# Altium PCB novena_evt1_a.PcbDoc (part 6 of 12)
Units mm, origin at the board's own origin, x right, y up, seen from the top; angles counter-clockwise.
Board outline 121 x 150 mm, 10 copper layers (Top, L2-GND, L3, L4, L5-PWR, L6-PWR, L7, L8, L9-GND, Bot), stack 1.621 mm thick; 951 components, 714 nets, 4891 pads, 2105 vias.
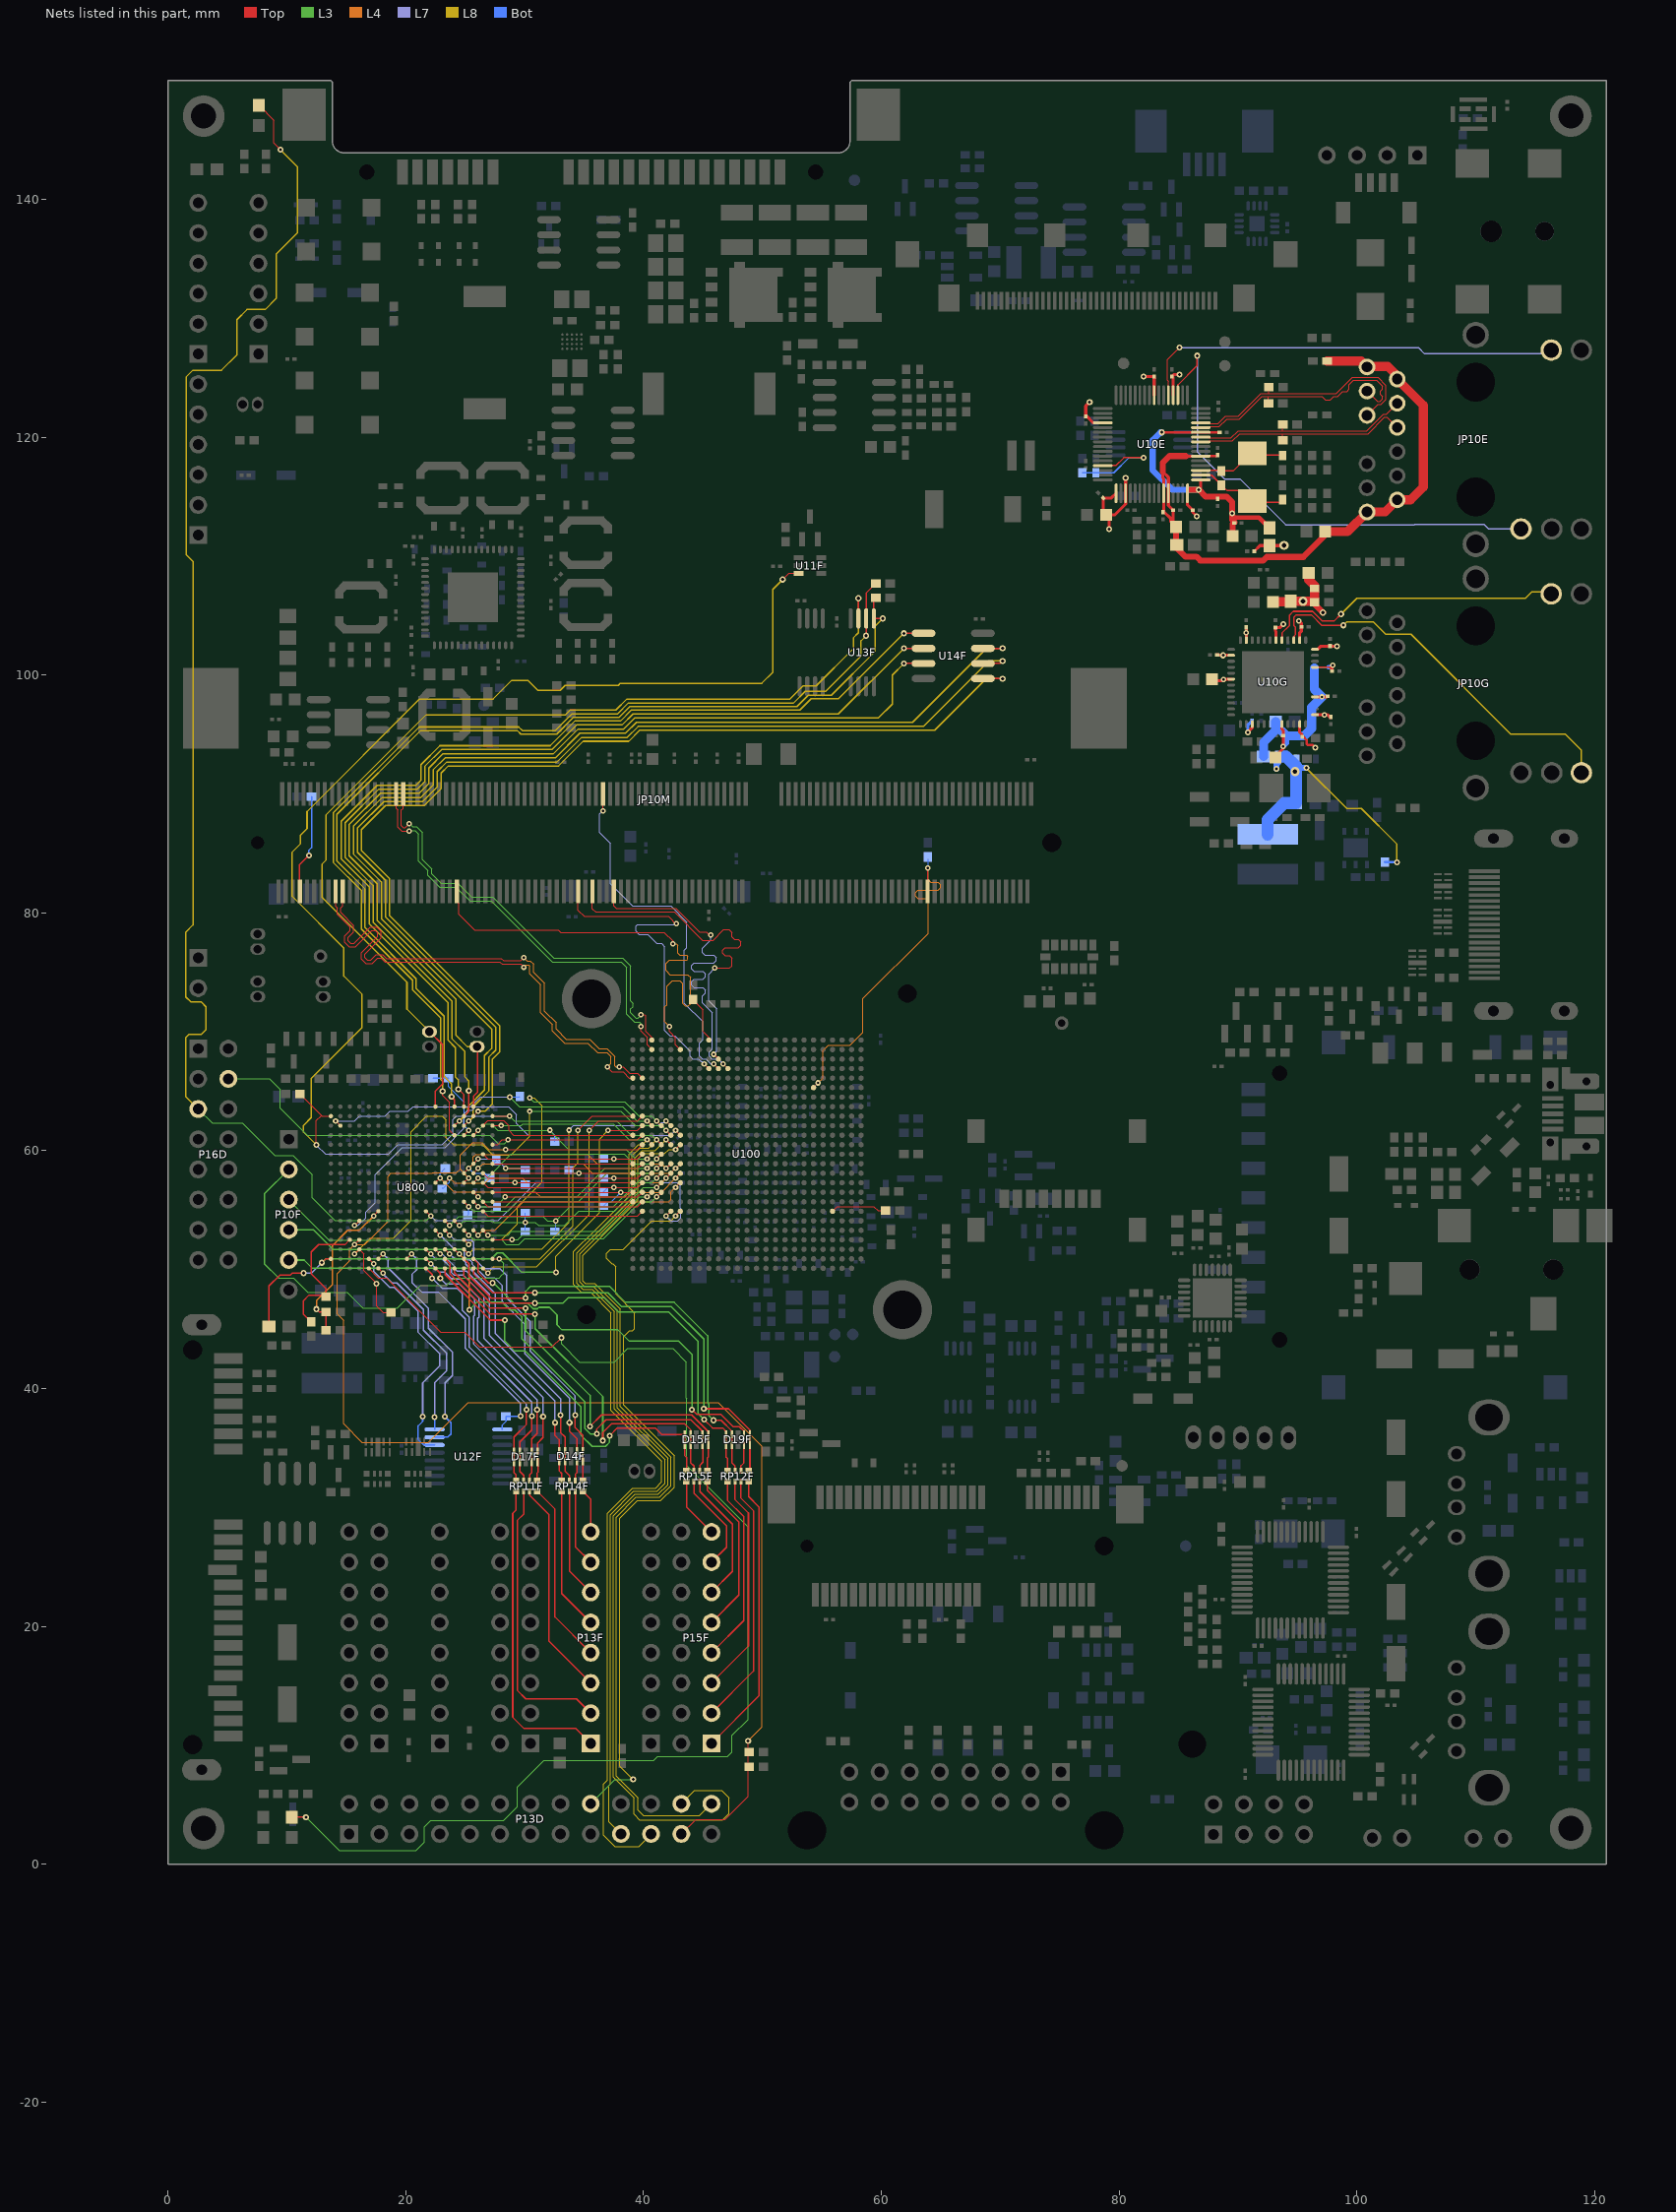
[diagram p14: the nets of this part, all layers, seen from the top]

## Via types
v1: diameter 0.508, hole 0.254, Top to Bot, tented both sides, 940 vias
v2: diameter 0.457, hole 0.203, Top to Bot, tented both sides, 793 vias
v3: diameter 0.762, hole 0.381, Top to Bot, tented both sides, 325 vias
v4: diameter 0.66, hole 0.33, Top to Bot, tented both sides, 23 vias
v5: diameter 0.66, hole 0.33, Top to Bot, tented top, 16 vias
v6: diameter 0.5, hole 0.254, Top to Bot, tented both sides, 8 vias

## Nets (pads, with @x,y where several pads share a name; then routed paths per layer and width w, separated by ;. In a path a pad name is that pad's centre, name@x,y a point inside that pad or via, vN(x,y) a via of type N, cw(c..) or ccw(c..) an arc to the next point about the centre after c; other vN are vias at no path point) (continued)
DDR3_DQS5_P: JP10M.154 U100.AD20 | length 40.7
  Top w0.083: JP10M.154@24.302,81.814 24.34,81.776 24.34,80.906 24.463,80.783 24.463,79.856 25.774,78.545 32.848,78.545 33.049,78.345 41.74,78.345 42.461,77.623 v2(42.461,77.391) ; v2(42.172,70.432) 42.172,70.013 42.7,69.485 42.7,68.9 U100.AD20@43.1,68.5
  L4 w0.089: v2(42.172,70.432) 41.765,70.839 41.765,72.075 41.968,72.278 41.968,73.828 42.447,74.306 43.038,74.306 43.314,74.031 43.314,72.37 43.505,72.179 43.77,72.179 43.949,72.358 43.949,74.582 43.729,74.802 42.223,74.802 41.875,75.15 41.875,75.725 42.184,76.034 43.666,76.034 43.725,76.092 43.725,76.356 43.64,76.44 43.056,76.44 42.882,76.614 42.882,77.274 42.766,77.391 v2(42.461,77.391)
DDR3_DQS6_N: JP10M.169 U100.AE23 | length 36.8
  Top w0.083: JP10M.169@19.802,90.014 19.802,88.792 19.641,88.632 19.641,87.315 19.781,87.175 19.962,87.175 v2(20.276,87.489) ; v2(39.772,71.448) 40.077,71.448 40.177,71.348 40.177,70.043 40.7,69.52 U100.AE23@40.7,69.3
  L3 w0.089: v2(20.276,87.489) 20.331,87.489 20.585,87.235 20.923,87.235 21.394,86.764 21.394,84.472 22.181,83.685 22.181,83.282 22.978,82.485 24.372,82.485 25.54,81.317 27.325,81.317 32.456,76.186 38.256,76.186 38.91,75.532 38.91,72.59 39.1,72.4 39.1,72.1 38.91,71.91 38.91,71.608 39.368,71.15 39.55,71.15 39.772,71.372 v2(39.772,71.448)
DDR3_DQS6_P: JP10M.171 U100.AD23 | length 36.8
  Top w0.083: JP10M.171@19.202,90.014 19.202,88.767 19.336,88.632 19.336,87.189 19.655,86.87 20.216,86.87 20.251,86.905 v2(20.301,86.854) ; v2(39.772,70.432) 39.772,70.051 40.3,69.523 40.3,68.9 U100.AD23@40.7,68.5
  L3 w0.089: v2(20.301,86.854) 20.251,86.905 20.786,86.905 21.064,86.627 21.064,84.336 21.851,83.548 21.851,83.146 22.842,82.155 24.235,82.155 25.403,80.987 27.188,80.987 32.319,75.856 38.119,75.856 38.58,75.395 38.58,71.471 39.239,70.813 39.656,70.813 39.772,70.697 v2(39.772,70.432)
DDR3_DQS7_N: JP10M.186 U100.AA24 | length 41.9
  Top w0.083: JP10M.186@14.702,81.814 14.702,80.568 14.536,80.402 14.536,80.02 15.619,78.937 15.619,78.388 15.154,77.923 15.154,77.626 15.346,77.434 15.643,77.434 17.006,78.797 17.555,78.797 17.927,78.426 17.927,77.876 16.563,76.513 16.563,76.217 16.756,76.024 17.053,76.024 17.518,76.489 18.067,76.489 18.396,76.161 28.048,76.161 28.226,75.983 29.675,75.983 v2(29.928,76.236) ; v2(37.969,67.028) 38.299,67.028 38.827,66.5 39.5,66.5 U100.AA24@39.9,66.1
  L4 w0.089: v2(29.928,76.236) 30.232,75.932 30.487,75.932 30.741,75.678 30.741,74.996 31.655,74.082 31.655,71.741 32.646,70.75 32.646,70.217 33.484,69.379 35.469,69.379 36.282,68.566 36.939,68.566 37.575,67.93 37.575,67.142 37.689,67.028 v2(37.969,67.028)
DDR3_DQS7_P: JP10M.188 U100.AA25 | length 41.9
  Top w0.083: JP10M.188@14.102,81.814 14.102,80.532 14.231,80.402 14.231,79.894 15.314,78.811 15.314,78.514 14.849,78.049 14.849,77.5 15.22,77.129 15.769,77.129 17.132,78.492 17.429,78.492 17.622,78.299 17.622,78.003 16.259,76.64 16.259,76.09 16.63,75.719 17.179,75.719 17.644,76.184 17.941,76.184 18.269,75.856 27.922,75.856 28.099,75.678 29.675,75.678 v2(29.928,75.425) ; v2(36.953,67.028) 37.358,66.623 38.272,66.623 38.795,66.1 U100.AA25@39.1,66.1
  L4 w0.089: v2(29.928,75.425) 30.105,75.602 30.348,75.602 30.411,75.539 30.411,74.859 31.325,73.945 31.325,71.604 32.316,70.614 32.316,70.08 33.347,69.049 35.332,69.049 36.146,68.235 36.91,68.235 37.245,67.9 37.245,67.32 v2(36.953,67.028)
DDR3_EVENT_N: JP10M.198 R12M.2 | length 8.4
  Top w0.127: JP10M.198@11.1,81.8 11.075,81.825 11.075,84.05 v1(11.85,84.825)
  Bot w0.127: v1(11.85,84.825) 11.825,84.85 11.825,85.225 12.075,85.475 R12M.2@12.075,89.75
DDR3_ODT0: JP10M.116 U100.AC16 | length 29.8
  Top w0.096: JP10M.116@35.702,81.814 35.702,80.344 35.973,80.072 42.601,80.072 44.973,77.7 45.875,77.7 46.75,78.575 47.2,78.575 47.425,78.35 47.425,77.963 47.631,77.757 47.986,77.757 48.191,77.551 48.191,77.277 47.986,77.071 46.864,77.071 46.659,76.866 46.659,76.591 46.864,76.385 47.219,76.385 47.425,76.18 47.425,75.55 47.223,75.348 v2(46.006,75.348) ; v2(45.9,68.1) U100.AC16@46.3,67.7
  L7 w0.096: v2(45.9,68.1) 46.161,68.361 46.161,71.939 45.5,72.6 45.5,74.841 v2(46.006,75.348)
DDR3_ODT1: JP10M.120 U100.AB17 | length 29.5
  Top w0.096: JP10M.120@34.502,81.814 34.502,80.223 35.034,79.691 42.084,79.691 v2@42.75,79.025 ; v2(45.1,67.3) U100.AB17@45.5,66.9
  L7 w0.096: v2@42.75,79.025 39.5,79.025 39.35,78.875 39.35,78.45 39.625,78.175 40.375,78.175 41.125,77.425 41.5,77.425 41.765,77.16 41.765,70.115 42.222,69.658 42.628,69.658 43.919,68.367 43.919,67.942 44.142,67.719 44.619,67.719 44.847,67.491 44.91,67.491 v2(45.1,67.3)
  other v2: 42.75,79.076
DDR3_RAS: JP10M.110 U100.AB15 | length 28.9
  Top w0.096: JP10M.110@37.502,81.814 37.502,80.576 37.701,80.377 42.723,80.377 44.704,78.396 45.27,78.396 45.524,78.142 v2(45.676,78.142) ; v2(46.7,67.3) U100.AB15@47.1,66.9
  L7 w0.096: v2(45.676,78.142) 45.676,77.735 44.965,77.024 44.965,76.663 45.171,76.457 45.905,76.457 46.111,76.251 46.111,75.977 45.905,75.771 44.253,75.771 44.047,75.566 44.047,75.291 44.253,75.085 44.993,75.085 45.198,74.88 45.198,74.605 44.993,74.4 44.253,74.4 44.047,74.194 44.047,73.92 44.253,73.714 44.993,73.714 45.198,73.508 45.198,73.234 44.965,73 44.965,72.427 45.778,71.614 45.778,68.555 45.519,68.296 45.519,67.942 45.742,67.719 46.281,67.719 v2(46.7,67.3)
DDR3_RESET: JP10M.30 R10M.1 U100.Y6 | length 29.8
  Top w0.096: U100.Y6@54.3,65.3 v2(54.7,65.7) ; JP10M.30@63.902,81.814 v2(63.902,83.769)
  L4 w0.096: v2(54.7,65.7) 55.081,66.081 55.081,68.395 55.531,68.845 57.36,68.845 58.452,69.938 58.452,72.782 63.939,78.269 63.939,81.005 63.733,81.211 63.082,81.211 62.876,81.416 62.876,81.691 63.082,81.896 64.796,81.896 65.002,82.102 65.002,82.376 64.796,82.582 64.145,82.582 63.939,82.788 63.939,83.732 v2(63.902,83.769)
  Bot w0.096: v2(63.902,83.769) 63.939,83.806 R10M.1@63.939,84.517
DDR3_WE: JP10M.113 U100.AB16 | length 30
  Top w0.096: v2(36.602,88.58) JP10M.113@36.602,90.014 ; v2(45.9,67.3) U100.AB16@46.3,66.9
  L7 w0.096: v2(36.602,88.58) 36.325,88.304 36.325,86.75 37.221,85.854 37.221,82.429 39.07,80.58 42.295,80.58 43.65,79.225 43.65,77.081 43.441,76.872 43.441,72.401 44.99,70.852 44.99,69.303 44.719,69.031 44.719,67.942 44.942,67.719 45.244,67.719 45.664,67.3 v2(45.9,67.3)
DDR3_ZQPAD: R11M.1 U100.AE17 | length 3.6
  Top w0.102: R11M.1@44.361,72.464 44.977,71.848 44.977,70.043 45.5,69.52 U100.AE17@45.5,69.3
DSI_REXT: R14L.1 U100.G4 | length 4.8
  Top w0.102: U100.G4@55.9,54.9 56.3,55.3 59.375,55.3 59.725,54.95 R14L.1@60.35,54.95
ECSPI3_MISO: P13D.21 U100.P23 U800.A3 | length 86.9
  Top w0.102: U800.A3@27.3,62.1 v2(28.025,62.1) ; v2(40.3,60.9) U100.P23@40.7,60.5
  L3 w0.102: v2(28.025,62.1) 29.725,62.1 29.85,62.225 37.447,62.225 38.772,60.9 v2(40.3,60.9)
  L8 w0.102: v2(40.3,60.9) 39.9,60.5 39.575,60.5 38.775,59.7 38.775,56.164 35.886,53.275 34.125,51.514 34.125,48.736 34.786,48.075 35.558,48.075 37.275,46.358 37.275,38.161 41.525,33.911 41.525,32.139 41.014,31.628 39.064,31.628 36.95,29.514 36.95,7.05 36.65,6.75 36.65,2.425 37.575,1.5 39.6,1.5 P13D.21@40.64,2.54
ECSPI3_MOSI: P13D.19 U100.P22 U800.A2 U800.R13 | length 103.3
  Top w0.102: v2(15.7,53.7) U800.R13@16.1,54.1 ; U800.A2@27.3,62.9 v2(28.725,62.9) ; v2(41.1,60.9) U100.P22@41.5,60.5
  L3 w0.102: v2(28.725,62.9) 29.125,62.5 37.737,62.5 38.937,61.3 40.7,61.3 v2(41.1,60.9)
  L7 w0.102: v2(15.7,53.7) 16,53.7 16.65,54.35 16.65,54.825 17.45,55.625 17.45,58 19.725,60.275 23.3,60.275 24.9,61.875 24.9,62.7 25.1,62.9 v2(28.725,62.9)
  L8 w0.102: P13D.19@38.1,2.54 37.075,3.565 37.075,6.625 37.225,6.775 37.225,29.4 39.178,31.353 41.128,31.353 41.8,32.025 41.8,34.025 37.55,38.275 37.55,46.471 35.671,48.35 34.9,48.35 34.4,48.85 34.4,51.4 36,53 39.05,56.05 39.05,59.575 39.7,60.225 40.425,60.225 v2(41.1,60.9)
ECSPI3_RDY: P16D.4 U100.R24 U800.A5 | length 39.8
  Top w0.102: U800.A5@27.3,60.5 27.725,60.5 28.125,60.9 v2(28.625,60.9) 39.5,60.9 U100.R24@39.9,61.3
  L3 w0.102: P16D.4@5.08,66.04 8.535,66.04 9.45,65.125 9.45,63.575 11.725,61.3 24.225,61.3 24.244,61.281 27.058,61.281 27.764,60.575 28.3,60.575 v2(28.625,60.9)
ECSPI3_SCLK: P13D.23 R10F.2 R11F.1 U100.P24 U800.D9 U800.R15 | length 124.7
  Top w0.096: v2(15.7,52.1) U800.R15@16.1,52.5 ; U800.D9@24.9,57.3 v2(25.3,57.7) ; v2(28.4,60.1) 39.5,60.1 U100.P24@39.9,60.5 ; P13D.23@43.18,2.54 44.415,3.775 46.875,3.775 48.8,5.7 v1(48.8,10.375)
  L4 w0.096: v2(25.3,57.7) 24.575,58.425 ; v2(28.4,60.1) 27,60.1 26.425,60.675 25.625,60.675 24.575,59.625 24.575,58.425 ; v1(48.8,10.375) 49.95,11.525 49.95,35.15 46.275,38.825 25.25,38.825 21.9,35.475 16.325,35.475 14.775,37.025 14.775,45.725 14.225,46.275 14.225,49.675 15.278,50.728 15.278,51.678 v2(15.7,52.1) 16.55,52.1 18.5,54.05 18.5,57.835 18.765,58.1 22.239,58.1 22.264,58.125 24.275,58.125 24.575,58.425
ECSPI3_SS0: P13D.24 U100.P21 | length 82.6
  Top w0.102: v2(41.9,60.9) U100.P21@42.3,60.5
  L8 w0.102: v2(41.9,60.9) 41,60 39.9,60 39.3,59.4 39.3,55.946 36.104,52.75 34.65,51.296 34.65,48.954 35.004,48.6 35.775,48.6 37.8,46.575 37.8,38.379 42.05,34.129 42.05,31.921 41.231,31.103 39.281,31.103 37.475,29.296 37.475,7.3 39.2,5.575 39.2,4.2 39.675,3.725 46.65,3.725 47.175,4.25 47.175,5.575 46.55,6.2 44.3,6.2 P13D.24@43.18,5.08
ECSPI3_SS1: P13D.26 U100.P20 | length 74.8
  Top w0.102: v2(42.7,60.1) U100.P20@43.1,60.5
  L8 w0.102: v2(42.7,60.1) 42.134,60.1 41.784,59.75 40,59.75 39.55,59.3 39.55,55.843 36.207,52.5 34.9,51.193 34.9,49.057 35.107,48.85 35.879,48.85 38.05,46.679 38.05,38.482 42.3,34.232 42.3,31.818 41.335,30.853 39.385,30.853 37.725,29.193 37.725,7.4 39.525,5.6 39.525,4.55 40,4.075 44.715,4.075 P13D.26@45.72,5.08
ECSPI3_SS2: U100.R25 U800.B3 | length 13.5
  Top w0.102: U800.B3@26.5,62.1 26.925,62.525 28.225,62.525 28.675,62.075 28.675,61.7 29.075,61.3 U100.R25@39.1,61.3
EIM_A16: U100.H25 U800.A11 | length 11.8
  Top w0.102: U800.A11@27.3,55.7 U100.H25@39.1,55.7
EIM_A17: U100.G24 U800.B12 | length 13.7
  Top w0.102: U800.B12@26.5,54.9 26.9,54.5 39.5,54.5 U100.G24@39.9,54.9
EIM_A18: U100.J22 U800.D14 | length 18.9
  Top w0.102: U800.D14@24.9,53.3 v2(25.3,52.9) ; v2(41.1,56.1) U100.J22@41.5,56.5
  L3 w0.102: v2(25.3,52.9) 25.7,52.5 28.05,52.5 28.45,52.1 29.5,52.1 30,52.6 36.625,52.6 39.725,55.7 40.7,55.7 v2(41.1,56.1)
EIM_BCLK: U100.N22 U800.C9 | length 17.5
  Top w0.102: U800.C9@25.7,57.3 v2(26.1,57.7) ; v2(41.1,59.3) U100.N22@41.5,59.7
  L3 w0.102: v2(26.1,57.7) 26.85,57.7 28.85,59.7 38.359,59.7 39.159,58.9 40.7,58.9 v2(41.1,59.3)
EIM_CS0: U100.H24 U800.B11 | length 13.7
  Top w0.102: U800.B11@26.5,55.7 26.9,55.3 39.5,55.3 U100.H24@39.9,55.7
EIM_CS1: U100.J23 U800.A15 | length 15.1
  Top w0.102: U800.A15@27.3,52.5 v2(28.95,52.5) ; v2(40.3,56.1) U100.J23@40.7,56.5
  L3 w0.102: v2(28.95,52.5) 29.425,52.5 29.825,52.9 36.475,52.9 39.675,56.1 v2(40.3,56.1)
EIM_DA0: R50B.1 U100.L20 U800.G9 | length 23.2
  Top w0.102: U800.G9@22.5,57.3 v2(22.9,57.7) ; v2(42.7,57.7) U100.L20@43.1,58.1
  L4 w0.102: v2(22.9,57.7) 24.05,56.55 30.9,56.55 31.35,56.1 38.425,56.1 38.825,56.5 41.5,56.5 v2(42.7,57.7)
  Bot w0.102: v2(22.9,57.7) 22.9,58.075 R50B.1@23.325,58.5
EIM_DA1: R37B.1 U100.J25 U800.A10 | length 13.7
  Top w0.102: U800.A10@27.3,56.5 U100.J25@39.1,56.5
  Bot w0.102: R37B.1@36.65,55.35 36.975,55.675 37.275,55.675 v2(38.1,56.5)
EIM_DA2: R49B.1 U100.L21 U800.F9 | length 21.2
  Top w0.102: U800.F9@23.3,57.3 v2(23.7,57.7) ; v2(41.9,57.7) U100.L21@42.3,58.1
  L4 w0.102: v2(23.7,57.7) 24.125,57.275 26.65,57.275 27.075,57.7 29.825,57.7 30.225,57.3 41.5,57.3 v2(41.9,57.7)
  Bot w0.102: R49B.1@23.05,56.875 23.2,56.875 23.7,57.375 v2(23.7,57.7)
EIM_DA3: R48B.1 U100.K24 U800.B9 | length 14.7
  Top w0.102: U800.B9@26.5,57.3 26.9,56.9 v2(37.5,56.9) 39.5,56.9 U100.K24@39.9,57.3
  Bot w0.102: R48B.1@36.65,56.55 37,56.9 v2(37.5,56.9)
EIM_DA4: R36B.2 R47B.1 U100.L22 U800.E13 | length 21.3
  Top w0.102: U800.E13@24.1,54.1 v2(24.5,53.7) ; v2(41.1,57.7) U100.L22@41.5,58.1
  L3 w0.102: v2(24.5,53.7) 24.9,54.1 27.3,54.1 27.425,53.975 v2(30.05,53.975) 30.9,53.975 31.175,53.7 33.35,53.7 34.575,54.925 37.584,54.925 39.959,57.3 40.7,57.3 v2(41.1,57.7)
  Bot w0.102: R36B.2@30.05,53.2 v2(30.05,53.975) R47B.1@30.05,54.75
EIM_DA5: R38B.1 U100.L23 U800.F13 | length 20.5
  Top w0.102: U800.F13@23.3,54.1 v2(23.7,53.7) ; v2(40.3,57.7) U100.L23@40.7,58.1
  L3 w0.102: v2(23.7,53.7) 24.45,54.45 31.55,54.45 31.9,54.1 v2(32.625,54.1) 33.825,55.3 37.475,55.3 39.875,57.7 v2(40.3,57.7)
  Bot w0.102: R38B.1@32.625,53.275 v2(32.625,54.1)
EIM_DA6: R40B.1 U100.K25 U800.A9 | length 12.5
  Top w0.102: U800.A9@27.3,57.3 U100.K25@39.1,57.3
  Bot w0.102: v2(29.2,57.3) R40B.1@29.9,57.3
EIM_DA7: R46B.1 U100.L25 U800.A8 | length 12.4
  Top w0.102: U800.A8@27.3,58.1 v2(34.575,58.1) U100.L25@39.1,58.1
  Bot w0.102: R46B.1@34,58.1 v2(34.575,58.1)
EIM_DA8: R55B.1 U100.L24 U800.B8 | length 14.6
  Top w0.102: U800.B8@26.5,58.1 26.9,57.7 v2(37.5,57.7) 39.5,57.7 U100.L24@39.9,58.1
  Bot w0.102: R55B.1@36.65,57.75 36.7,57.7 v2(37.5,57.7)
EIM_DA9: R54B.1 U100.M21 U800.D8 | length 21.1
  Top w0.102: U800.D8@24.9,58.1 v2(25.3,58.5) ; v2(41.9,58.5) U100.M21@42.3,58.9
  L4 w0.102: v2(25.3,58.5) 25.681,58.881 25.681,59.456 25.906,59.681 35.319,59.681 36.1,58.9 41.5,58.9 v2(41.9,58.5)
  Bot w0.102: v2(25.3,58.5) 25.7,58.1 26.65,58.1 R54B.1@27.05,57.7
EIM_DA10: R53B.1 U100.M22 U800.D11 | length 19.3
  Top w0.102: U800.D11@24.9,55.7 v2(25.3,55.3) ; v2(41.1,58.5) U100.M22@41.5,58.9
  L3 w0.102: v2(25.3,55.3) 25.7,54.9 28.625,54.9 29.45,55.725 34.566,55.725 36.941,58.1 40.7,58.1 v2(41.1,58.5)
  Bot w0.102: R53B.1@25.225,54.575 25.3,54.65 v2(25.3,55.3)
EIM_DA11: R42B.1 U100.M20 U800.C8 | length 20.2
  Top w0.102: U800.C8@25.7,58.1 v2(26.1,58.5) ; v2(42.7,58.5) U100.M20@43.1,58.9
  L4 w0.102: v2(26.1,58.5) 26.481,58.881 34.919,58.881 35.7,58.1 42.3,58.1 v2(42.7,58.5)
  Bot w0.102: v2(26.1,58.5) 26.5,58.9 27.325,58.9 R42B.1@27.6,59.175
EIM_DA12: R44B.1 U100.M24 U800.C7 | length 16.6
  Top w0.102: U800.C7@25.7,58.9 v2(26.1,59.3) ; v2(28.4,58.5) 39.5,58.5 U100.M24@39.9,58.9
  L7 w0.102: v2(26.1,59.3) 27.6,59.3 v2(28.4,58.5)
  Bot w0.102: v2(28.4,58.5) 29.9,58.5 R44B.1@30.05,58.35
EIM_DA13: R35B.2 U100.M23 U800.C11 | length 18.3
  Top w0.102: U800.C11@25.7,55.7 v2(26.1,55.3) ; v2(40.3,58.5) U100.M23@40.7,58.9
  L3 w0.102: v2(26.1,55.3) 28.4,55.3 29.225,56.125 34.4,56.125 36.775,58.5 v2(40.3,58.5)
  Bot w0.102: v2(26.1,55.3) 27.625,55.3 R35B.2@27.675,55.25
EIM_DA14: R52B.1 U100.N23 U800.C4 | length 17.9
  Top w0.102: U800.C4@25.7,61.3 v2(26.1,61.7) ; v2(40.3,59.3) U100.N23@40.7,59.7
  L3 w0.102: v2(26.1,61.7) 26.625,62.225 27.225,62.225 27.75,61.7 32.1,61.7 33.7,60.1 38.525,60.1 39.325,59.3 v2(40.3,59.3)
  Bot w0.102: v2(32.131,61.725) 32.55,61.306 R52B.1@32.55,60.75
EIM_DA15: R51B.1 U100.N24 U800.B6 | length 14.5
  Top w0.102: U800.B6@26.5,59.7 26.9,59.3 v2(37.5,59.3) 39.5,59.3 U100.N24@39.9,59.7
  Bot w0.102: R51B.1@36.7,59.3 v2(37.5,59.3)
EIM_LBA: U100.K22 U800.B14 | length 17
  Top w0.102: U800.B14@26.5,53.3 v2(26.9,52.9) ; v2(41.1,56.9) U100.K22@41.5,57.3
  L3 w0.102: v2(26.9,52.9) 28.6,52.9 28.9,53.2 36.3,53.2 40,56.9 v2(41.1,56.9)
EIM_OE: U100.J24 U800.C10 | length 14.9
  Top w0.102: U800.C10@25.7,56.5 v2(26.1,56.1) ; v2(28.375,56.1) 39.5,56.1 U100.J24@39.9,56.5
  L3 w0.102: v2(26.1,56.1) 26.5,55.7 27.975,55.7 v2(28.375,56.1)
EIM_RW: U100.K20 U800.C14 | length 19.8
  Top w0.102: U800.C14@25.7,53.3 v2(26.1,52.9) ; v2(42.7,56.9) U100.K20@43.1,57.3
  L4 w0.102: v2(26.1,52.9) 26.525,53.325 26.65,53.325 26.656,53.319 27.494,53.319 29.875,55.7 42.15,55.7 42.319,55.869 42.319,56.519 v2(42.7,56.9)
EIM_WAIT: U100.M25 U800.A7 | length 11.8
  Top w0.102: U800.A7@27.3,58.9 U100.M25@39.1,58.9
EN1G_1.2VA: C12G.1 C14G.1 C15G.1 C30G.2 C35G.1 L10G.2 U10G.4 U10G.9 U10G.44 | length 22.1
  Top w0.152: U10G.9@96.625,100.65 97.675,100.65 ; v2@98.05,100.9 v2(97.975,100.825) 97.975,100.575 ; 97.675,100.65 97.9,100.65 97.975,100.575 ; 97.675,100.65 97.813,100.513 ; 97.813,100.513 97.913,100.513 97.975,100.575 ; 97.813,100.513 97.975,100.35 97.975,100.575
  Top w0.229: U10G.4@96.475,98.15 v2(97.075,98.15) 97.5,98.15 C35G.1@97.55,98.2
  Top w0.254: C12G.1@93.15,93.15 93.8,93.8 v2(93.8,94) C30G.2@93.8,94.9 93.8,95.35 93.7,95.45 U10G.44@93.7,95.875
  Bot w0.152: 96.425,100.575 96.5,100.65 97.6,100.65
  Bot w0.381: 97.6,100.65 97.8,100.65 v2(97.975,100.825)
  Bot w0.457: v2(93.8,94) 94.075,94.275 94.075,94.875
  Bot w0.762: L10G.2@92.15,93.15 92.15,94.325 93.175,95.35 C14G.1@93.175,95.775 ; C14G.1@93.175,96.075 C14G.1@93.175,95.775 ; 96.425,100.575 96.425,98.8 v2(97.075,98.15) 96.2,97.275 96.2,95.5 95.575,94.875 94.075,94.875 C14G.1@93.175,95.775
EN1G_3.3VA: C16G.1 C19G.1 C20G.1 C25G.1 C26G.1 C34G.1 L11G.2 R14G.2 U10G.1 U10G.12 U10G.47 | length 13.2
  Top w0.203: C26G.1@95.4,94.8 95.5,94.8 95.775,94.525 95.775,94.2 95.875,94.1 96.3,94.1 v1(96.5,93.9)
  Top w0.254: U10G.47@95.2,95.875 95.2,95.175 95.4,94.975 C26G.1@95.4,94.8 ; U10G.1@96.475,96.65 97.55,96.65 C16G.1@97.8,96.4 ; U10G.12@96.475,102.15 96.7,102.15 96.975,102.425 C34G.1@97.75,102.425 v1(98.325,102.425)
  Top w0.508: R14G.2@96.45,106.125 96.45,105.95 v1(97.15,105.25)
  Top w0.762: C25G.1@92.95,106.15 94.4,106.15 L11G.2@94.45,106.2 96.175,106.2 96.3,106.325 96.45,106.325 96.45,107.075 96.45,107.5 95.95,108 C19G.1@95.95,108.375
  other v2: 97.275,96.65
  other v3: 95.475,106.2
EN1G_ACT: JP10G.L2 U10G.17 | length 25.9
  Top w0.127: U10G.17@93.7,102.925 93.7,103.525 94.325,104.15 94.325,105.025 94.65,105.35 96.275,105.35 97.1,104.525 98.075,104.525 v1(98.675,105.125)
  L8 w0.127: v1(98.675,105.125) 100,106.45 114.175,106.45 114.7,106.975 116.195,106.975 JP10G.L2@116.35,106.82
EN1G_LINK: JP10G.L4 U10G.15 | length 33.2
  Top w0.127: U10G.15@94.7,102.925 94.7,103.25 94.85,103.4 94.85,104 94.7,104.15 94.7,104.85 94.9,105.05 96.175,105.05 97.05,104.175 v1(98.875,104.175)
  L8 w0.127: v1(98.875,104.175) 99.175,104.475 101.375,104.475 102.425,103.425 104.55,103.425 112.95,95.025 117.525,95.025 118.89,93.66 JP10G.L4@118.89,91.78
EN1G_P1.2V: C13G.1 C21G.1 C22G.1 C27G.2 C28G.2 C31G.1 C33G.1 C36G.1 C37G.1 L10G.1 L12G.2 R17G.1 U10G.14 U10G.18 U10G.23 U10G.26 U10G.30 U10G.39 | length 33.6
  Top w0.254: C22G.1@87.825,99.625 87.95,99.5 88.775,99.5 88.925,99.65 U10G.30@89.425,99.65 ; C36G.1@88.25,101.7 88.3,101.65 U10G.26@89.425,101.65 ; U10G.23@90.7,102.925 C37G.1@90.7,104 ; v1(90.825,95.175) 91.2,95.55 U10G.39@91.2,95.875 ; U10G.18@93.2,102.925 93.2,103.65 93.15,103.7 C31G.1@93.15,103.996 93.546,103.996 v1(93.825,104.275) ; v2(95.125,104.55) 95.325,104.35 95.325,103.675 95.2,103.55 U10G.14@95.2,102.925